# Altium PCB PCB.PcbDoc (part 3 of 4)
Units mm, origin at the board's own origin, x right, y up, seen from the top; angles counter-clockwise.
Board outline 133.1 x 64.1 mm, 6 copper layers (Top Layer, L02_GND1, L03_PWR1, L04_PWR2, L05_GND2, Bottom Layer), stack 2.464 mm thick; 271 components, 175 nets, 879 pads, 570 vias.
Unrouted connection lines stored in the file: 34.
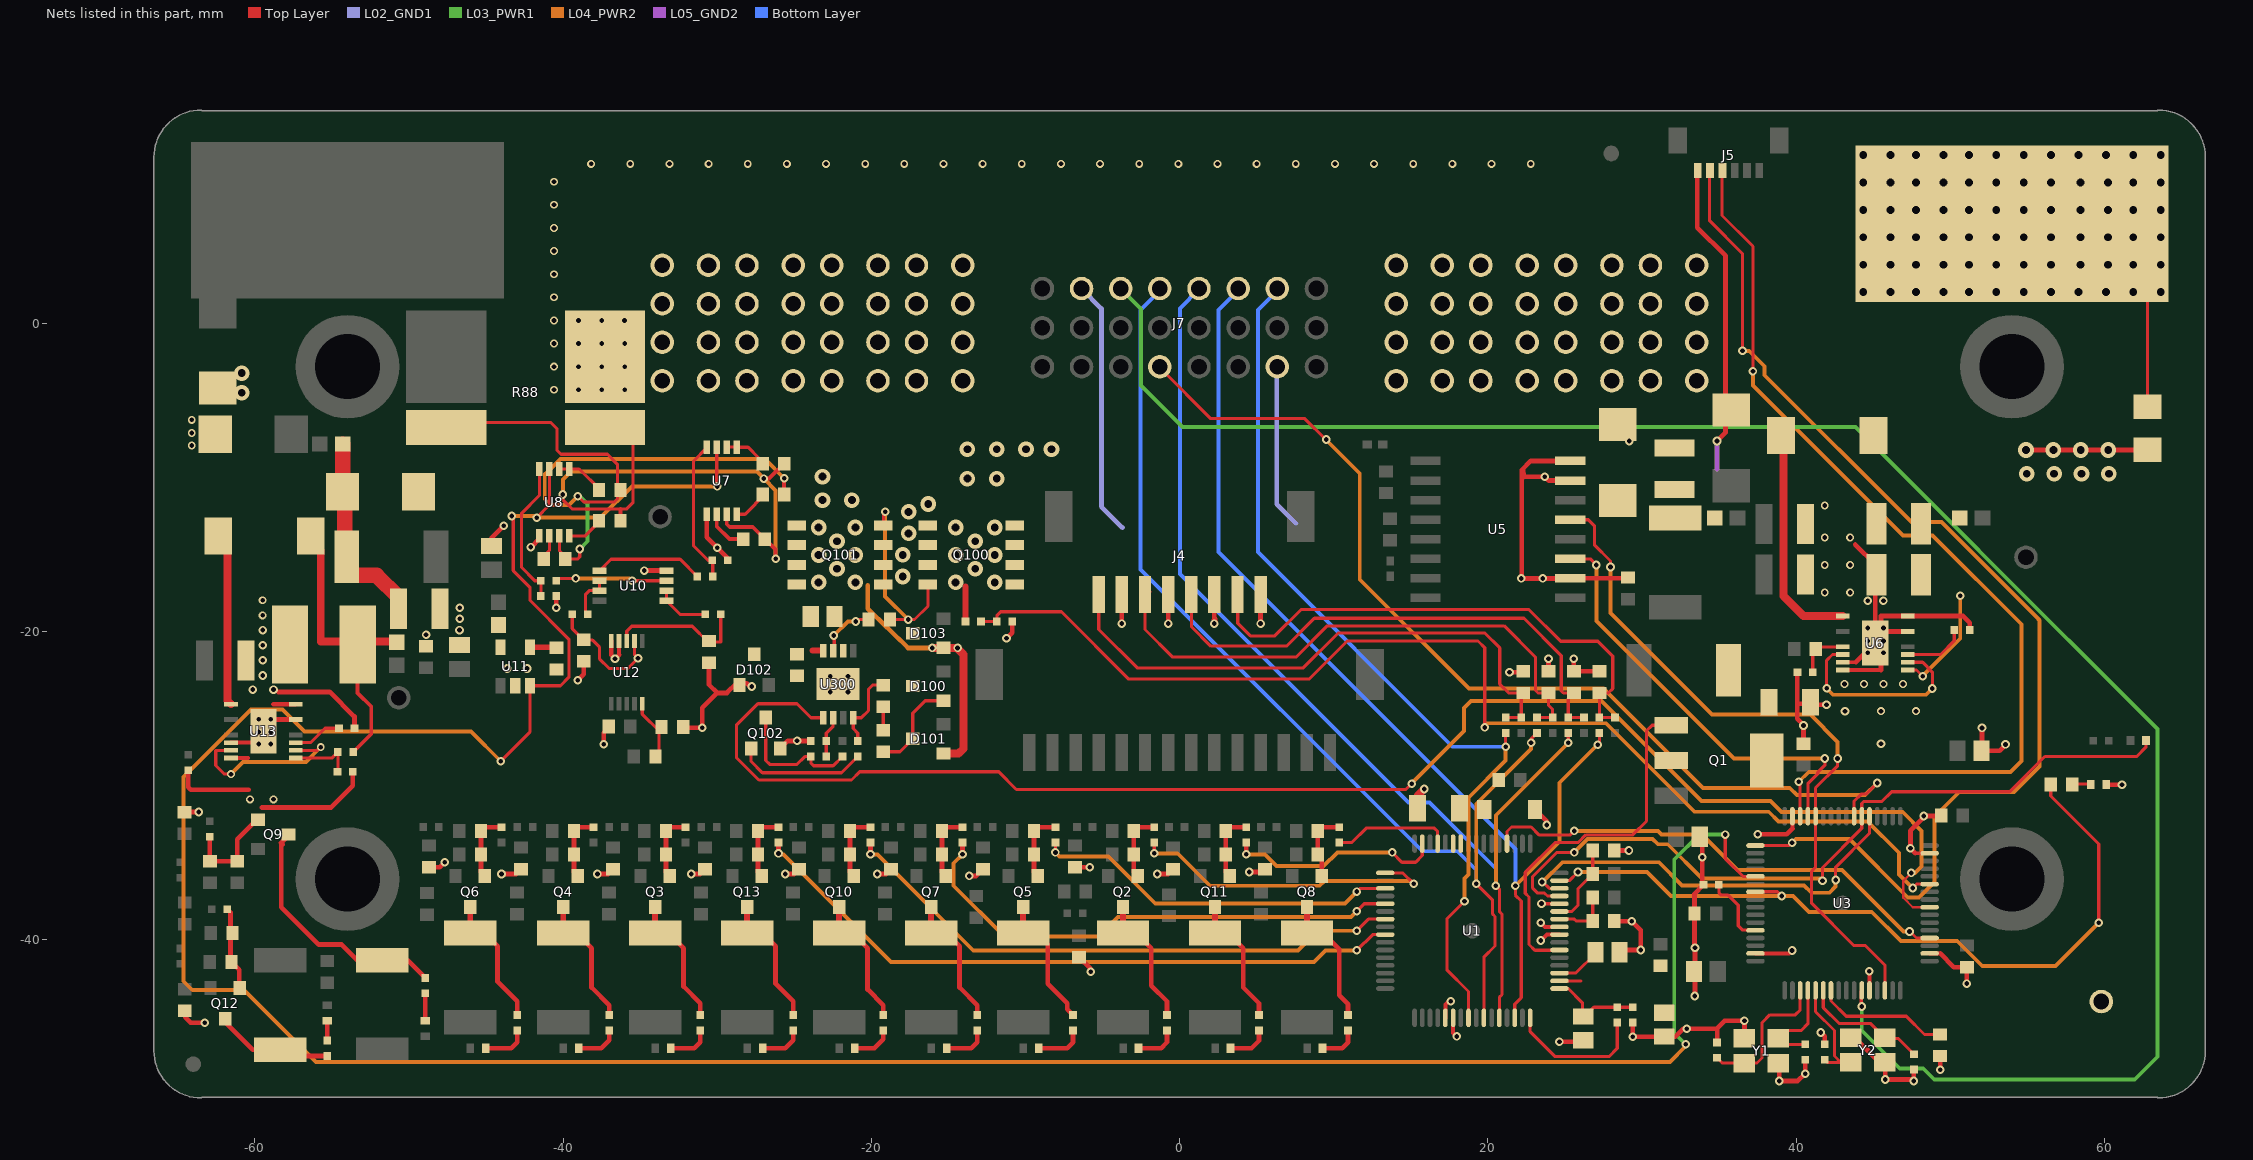
[diagram p7: the nets of this part, all layers, seen from the top]

## Via types
v1: diameter 0.559, hole 0.305, Top Layer to Bottom Layer, tented both sides, 285 vias
v2: diameter 1.016, hole 0.508, Top Layer to Bottom Layer, tented top, 144 vias
v3: diameter 0.508/0.508/0.508/0.508/0.508/0.508 (per signal layer), hole 0.305, Top Layer to Bottom Layer, tented both sides, 51 vias
v4: diameter 0.508/0.508/0.508/0.508/0.508/0.508 (per signal layer), hole 0.305, Top Layer to Bottom Layer, 30 vias
v5: diameter 1.016, hole 0.508, Top Layer to Bottom Layer, tented both sides, 28 vias
v6: diameter 1.016, hole 0.508, Top Layer to Bottom Layer, 16 vias
v7: diameter 0.508, hole 0.305, Top Layer to Bottom Layer, tented both sides, 10 vias
v8: diameter 0.559, hole 0.305, Top Layer to Bottom Layer, 6 vias

## Nets (pads, with @x,y where several pads share a name; then routed paths per layer and width w, separated by ;. In a path a pad name is that pad's centre, name@x,y a point inside that pad or via, vN(x,y) a via of type N, cw(c..) or ccw(c..) an arc to the next point about the centre after c; other vN are vias at no path point) (continued)
CB6: R68.2 U1.9 | length 43.8
  Top Layer w0.203: v1(11.497,-40.7) 12.517,-39.68 U1.9@13.34,-39.68
  Top Layer w0.305: v1(-26.03,-34.415) R68.2@-26.03,-33.707
  L04_PWR2 w0.254: v1@-26.055,-34.452 v1@-26.03,-34.477 ; v1(-26.03,-34.415) v1@-26.03,-34.477 ; v1(11.497,-40.7) 9.465,-40.7 8.703,-41.462 -18.729,-41.462 -25.714,-34.477 v1@-26.03,-34.477
CB7: R56.2 U1.7 | length 37.6
  Top Layer w0.203: v1(11.497,-39.43) 12.247,-38.68 U1.7@13.34,-38.68
  Top Layer w0.305: v1(-20.061,-34.477) R56.2@-20.061,-33.707
  L04_PWR2 w0.254: v1(-20.061,-34.477) -19.618,-34.477 -13.395,-40.7 7.687,-40.7 8.957,-39.43 v1(11.497,-39.43)
CB8: R41.2 U1.5 | length 33.3
  Top Layer w0.203: v1(11.497,-38.16) 11.977,-37.68 U1.5@13.34,-37.68
  Top Layer w0.305: v1(-14.092,-34.477) R41.2@-14.092,-33.707
  L04_PWR2 w0.254: v1(-14.092,-34.477) -14.665,-35.05 -14.665,-36.509 -11.363,-39.811 -5.267,-39.811 -3.997,-38.541 11.116,-38.541 v1(11.497,-38.16)
CB9: R28.2 U1.3 | length 23.8
  Top Layer w0.203: v1(-8.061,-34.35) R28.2@-8.061,-33.707 ; v1(11.497,-36.89) 11.707,-36.68 U1.3@13.34,-36.68
  L04_PWR2 w0.254: v1(-8.061,-34.35) -7.791,-34.62 -4.616,-34.62 -1.584,-37.652 10.735,-37.652 v1(11.497,-36.89)
CB10: R14.2 U1.1 | length 20.7
  Top Layer w0.203: v1(-1.646,-34.412) R14.2@-1.646,-33.707 ; U1.1@13.34,-35.68 14.478,-35.68 v1(15.18,-36.382)
  L04_PWR2 w0.254: v1(-1.646,-34.412) -0.125,-34.412 1.972,-36.509 9.084,-36.509 9.392,-36.201 14.999,-36.201 v1(15.18,-36.382)
CB11: R54.2 U1.63 | length 14.1
  Top Layer w0.203: v1(13.783,-34.35) 14.418,-34.985 15.307,-34.985 15.74,-34.552 U1.63@15.74,-33.78
  Top Layer w0.305: v1(4.323,-34.477) R54.2@4.323,-33.707
  L04_PWR2 w0.254: v1(4.323,-34.477) 5.528,-34.477 6.29,-35.239 9.338,-35.239 10.227,-34.35 v1(13.783,-34.35)
CB12: R39.2 U1.61 | length 7.7
  Top Layer w0.203: R39.2@10.354,-33.707 11.167,-33.707 12.1,-32.774 16.526,-32.774 16.74,-32.989 U1.61@16.74,-33.78
CHECK_INSERT_A: J7.4 U3.39 | length 65.2
  Top Layer w0.203: J7.4@-1.169,-3.019 2.012,-6.2 8.112,-6.2 9.473,-7.56 v1(9.518,-7.56) ; U3.39@43.759,-32.002 43.746,-31.989 43.746,-31.048 44.224,-30.57 44.533,-30.57 v1(45.259,-29.843)
  L04_PWR2 w0.254: v1(9.518,-7.56) 9.518,-7.606 11.686,-9.773 11.686,-16.631 18.765,-23.711 27.503,-23.711 33.951,-30.159 39.585,-30.159 40.055,-30.629 44.474,-30.629 v1(45.259,-29.843)
CHECK_INSERT_B: J7.19 U3.11 | length 126.9
  Top Layer w0.203: U3.11@44.224,-43.337 44.224,-44.314 v1(44.258,-44.348)
  L03_PWR1 w0.254: J7.19@-3.81,2.21 -2.52,0.92 -2.52,-4.045 0.176,-6.74 43.846,-6.74 51.833,-14.726 51.833,-14.741 63.44,-26.349 63.44,-47.609 61.967,-49.082 48.962,-49.082 48.246,-48.366 46.722,-48.366 44.258,-45.901 v1(44.258,-44.348)
CHG_EN: U3.24 U300.1 | length 100.5
  Top Layer w0.152: v1(47.469,-35.68) 46.959,-36.19 46.959,-37.291 47.57,-37.902 U3.24@48.659,-37.902
  Top Layer w0.203: U300.1@-23.133,-25.608 -23.918,-25.608 -24.825,-24.702 -27.365,-24.702 -28.762,-26.099 -28.762,-28.192 -27.303,-29.651 -21.294,-29.651 -20.761,-29.118 -11.74,-29.118 -10.595,-30.263 14.677,-30.263 v1(15.053,-29.888)
  L04_PWR2 w0.254: v1(15.053,-29.888) 15.053,-29.87 18.445,-26.478 18.445,-24.985 18.904,-24.526 27.373,-24.526 33.854,-31.007 38.332,-31.007 39.059,-31.734 46.915,-31.734 48.127,-32.946 48.127,-35.258 47.705,-35.68 v1(47.469,-35.68)
CHG_IN: J7.P2 Q100.5 Q100.6 Q100.7 Q100.8 R306.2 | length 2.3
  Top Layer w0.381: R306.2@-13.895,-19.364 -13.895,-17.09
  other v5: -13.776,-10.093 -11.871,-10.093 -13.776,-8.188 -11.871,-8.188 -9.966,-8.188 -8.315,-8.188
  other v6: -14.538,-16.828 -11.998,-16.828 -13.268,-15.939 -14.538,-15.05 -11.998,-15.05 -13.268,-14.161 -14.538,-13.272 -11.998,-13.272
CHG_INSERT: R305.2 R306.1 U3.27 | length 75.8
  Top Layer w0.203: R306.1@-12.895,-19.364 R305.2@-11.863,-19.364 -11.863,-18.983 -11.617,-18.737 -7.672,-18.737 -3.301,-23.108 8.395,-23.108 10.87,-20.633 19.358,-20.633 19.796,-21.071 v1(19.796,-26.238) ; v1(47.558,-36.661) 47.817,-36.402 U3.27@48.659,-36.402
  L04_PWR2 w0.254: v1(19.796,-26.238) 19.796,-26.095 19.923,-25.968 27.671,-25.968 33.413,-31.71 38.223,-31.71 38.843,-32.33 44.636,-32.33 46.679,-34.372 46.679,-35.781 v1(47.558,-36.661)
COMMSRATE0: R6.2 R8.1 U1.43 | length 5.3
  Top Layer w0.203: U1.43@24.64,-38.18 25.447,-38.18 25.848,-37.779 25.848,-36.698 R6.2@26.799,-35.747 R8.1@26.799,-34.223
COMMSRATE1: R5.2 R7.1 U1.42 | length 3.7
  Top Layer w0.203: U1.42@24.64,-38.68 25.606,-38.68 25.721,-38.795 R7.1@26.799,-38.795 R5.2@26.799,-37.271
CURR+: R110.1 U10.5 | length 7.1
  Top Layer w0.203: U10.5@-37.638,-16.063 -36.9,-15.325 -32.411,-15.325 R110.1@-31.294,-16.443
CURR-: R111.2 U10.3 | length 7.3
  Top Layer w0.203: R111.2@-40.45,-16.718 -40.302,-16.57 v1(-39.176,-16.57) ; v1(-35.531,-16.722) -33.306,-16.722 U10.3@-33.297,-16.713
  L04_PWR2 w0.254: v1(-39.176,-16.57) -35.683,-16.57 v1(-35.531,-16.722)
DREADY: U1.46 U3.37 | length 27.3
  Top Layer w0.203: v1(23.513,-36.271) 23.578,-36.271 23.987,-36.68 U1.46@24.64,-36.68 ; v1(42.561,-36.137) 42.561,-35.306 44.759,-33.108 U3.37@44.759,-32.002
  L04_PWR2 w0.254: v1(23.513,-36.271) 23.546,-36.271 24.832,-34.985 31.088,-34.985 32.605,-36.502 40.52,-36.502 40.985,-36.966 42.167,-36.966 42.561,-36.573 v1(42.561,-36.137)
EXT1_M: J7.23 R76.2 U1.24 | length 59.5
  Top Layer w0.203: v1(18.482,-37.525) 17.339,-38.668 17.339,-41.97 18.74,-43.371 U1.24@18.74,-45.08 ; v1(21.149,-27.492) R76.2@21.149,-26.595
  L04_PWR2 w0.254: v1(18.482,-37.525) 18.482,-36.033 18.74,-35.775 18.74,-30.801 21.149,-28.392 v1(21.149,-27.492)
  Bottom Layer w0.254: J7.23@6.35,2.21 6.35,2.115 5.079,0.845 5.079,-14.856 17.715,-27.492 v1(21.149,-27.492)
EXT2_M: J7.20 R77.2 U1.26 | length 70.4
  Top Layer w0.203: v1(19.244,-36.382) 20.305,-37.443 20.305,-38.352 20.462,-38.509 20.462,-40.425 19.74,-41.146 19.74,-43.99 ; U1.26@19.74,-45.08 19.74,-44.014 ; v1(22.8,-27.238) 22.8,-26.976 R77.2@23.181,-26.595
  L04_PWR2 w0.254: v1(19.244,-36.382) 19.244,-31.199 22.8,-27.643 v1(22.8,-27.238)
  Bottom Layer w0.254: J7.20@-1.27,2.21 -1.27,2.107 -2.532,0.845 -2.532,-15.988 15.75,-34.271 18.038,-34.271 19.244,-35.477 v1(19.244,-36.382)
EXT3_M: J7.21 R75.2 U1.28 | length 69.2
  Top Layer w0.203: v1(20.514,-36.509) 20.74,-36.735 20.74,-38.176 20.916,-38.352 20.916,-43.576 20.74,-43.752 U1.28@20.74,-45.08 ; v1(25.213,-27.238) R75.2@25.213,-26.595
  L04_PWR2 w0.254: v1(20.514,-36.509) 20.514,-31.937 v1(25.213,-27.238)
  Bottom Layer w0.254: J7.21@1.266,2.21 0.01,0.954 0.01,-16.283 14.843,-31.116 16.223,-31.116 20.514,-35.407 v1(20.514,-36.509)
EXT4_M: J7.22 R201.2 U1.30 | length 68.3
  Top Layer w0.203: U1.30@21.74,-45.08 21.74,-44.197 22.165,-43.772 22.165,-37.5 21.784,-37.119 v1(21.784,-36.509) ; v1(27.118,-27.365) 27.229,-27.254 R201.2@27.229,-26.595
  L04_PWR2 w0.254: v1(21.784,-36.509) 24.655,-33.639 24.655,-29.829 v1(27.118,-27.365)
  Bottom Layer w0.254: J7.22@3.81,2.21 3.81,2.139 2.517,0.846 2.517,-14.867 21.784,-34.135 v1(21.784,-36.509)
FAULT: D15.2 U1.45 U3.38 | length 50.1
  Top Layer w0.203: U1.45@24.64,-37.18 23.865,-37.18 23.672,-36.987 23.222,-36.987 22.898,-36.663 22.898,-35.913 24.461,-34.35 v1(25.594,-34.35) ; v1(41.708,-36.18) 41.708,-35.341 44.259,-32.789 44.259,-31.175 44.386,-31.048 45.56,-31.048 46.195,-30.413 53.852,-30.413 56.138,-28.127 62.118,-28.127 ; 62.118,-28.107 62.693,-27.532 D15.2@62.693,-27.091
  L04_PWR2 w0.254: v1(25.594,-34.35) 26.471,-33.473 30.687,-33.473 31.032,-33.818 31.667,-33.818 33.881,-36.033 41.56,-36.033 v1(41.708,-36.18)
GND: C1.2 C2.1 C3.2 C4.2 C5.1 C6.2 C8.2 C10.2 C11.2 C14.2 C17.2 C18.2 C23.2 C24.2 C25.2 C32.2 C34.2 C35.2 C41.2 C42.2 C47.2 C48.2 C49.2 C50.2 C52.2 C53.2 C54.2 C55.2 C56.2 C57.2 C58.2 C59.2 C60.2 C61.1 C64.2 C65.2 C66.2 C68.2 C69.2 C73.1 C74.1 C75.1 C76.1 C77.1 C78.1 C200.2 C301.2 C303.2 C304.2 C309.2 C500.2 C501.2 C999.2 D1.A D2.C D16.1 D17.1 D21.1 D22.1 D102.A J4.2 J4.4 J4.6 J4.8 J5.6 J7.7 J7.18 Q102.2 R7.2 R8.2 R10.1 R80.2 R81.2 R83.1 R84.2 R86.2 R93.2 R94.2 R115.2 R305.1 R309.2 TP1.1 U1.21 U1.22 U1.40 U1.41 U1.44 U3.12 U3.18 U3.31 U3.47 U3.63 U5.2 U5.7 U5.8 U6.7 U6.8 U6.14 U6.16 U6.17 U7.5 U8.5 U10.4 U11.2 U12.4 U12.5 U13.6 U13.8 U13.14 U13.16 U13.17 U300.9 Y1.2 Y1.4 Y2.2 Y2.4 | length 256.6
  Top Layer w0.254: U13.8@-61.553,-28.228 -60.461,-28.228 ; U13.6@-61.553,-27.228 U13.17@-60.198,-27.228 ; -36.374,-21.515 U12.4@-36.374,-20.634 ; U1.21@17.24,-45.08 17.24,-44.228 v1@17.466,-44.002 ; U1.22@17.74,-45.08 17.74,-46.054 v1(17.974,-46.288) ; v1(23.435,-40.065) 23.82,-39.68 U1.40@24.64,-39.68 ; v1(23.435,-38.922) 23.693,-39.18 U1.41@24.64,-39.18 ; v1@23.491,-37.68 U1.44@24.64,-37.68 ; U3.63@37.359,-40.902 39.549,-40.902 v1(39.735,-40.716) ; 39.759,-32.808 U3.47@39.759,-32.106 ; U6.8@43.022,-22.511 45.502,-22.511 ; U6.7@43.022,-22.011 43.877,-22.011 ; U3.12@44.749,-43.292 v1(44.749,-42.056) ; 47.734,-34.402 U3.31@48.636,-34.402 ; U3.18@48.659,-40.902 49.351,-40.902
  Top Layer w0.305: C41.2@-64.576,-31.745 -64.558,-31.727 v1(-63.639,-31.727) ; C47.2@-64.53,-44.546 -64.53,-45.05 -64.175,-45.404 v1(-63.264,-45.404) ; R84.2@-64.322,-29.008 -64.322,-30.111 -64.151,-30.282 -60.408,-30.282 ; U13.17@-60.198,-27.228 U13.17@-59.448,-26.478 -58.698,-25.728 U13.14@-57.343,-25.728 ; -59.536,-31.433 -55.051,-31.433 -53.648,-30.03 R309.2@-53.648,-29.118 ; -58.794,-24.728 U13.16@-57.343,-24.728 ; -58.49,-23.936 -55.142,-23.936 -53.543,-25.535 R115.2@-53.543,-26.29 ; C34.2@-48.701,-35.304 -48.004,-35.304 v1(-47.685,-34.985) ; C77.1@-44.67,-14.439 -44.67,-13.966 v1(-43.858,-13.154) ; v1(-44.002,-35.747) -43.048,-35.747 C24.2@-42.732,-35.431 ; v1(-42.097,-14.538) -42.072,-14.538 -41.544,-14.01 U8.5@-41.544,-13.809 ; v1(-40.454,-18.467) R94.2@-40.454,-17.713 ; v1(-39.049,-23.178) -38.668,-22.797 C501.2@-38.668,-21.947 ; v1(-37.779,-35.747) -37.079,-35.747 C18.2@-36.763,-35.431 ; v1(-37.373,-27.338) -37.373,-26.595 C78.1@-37.038,-26.26 ; U12.5@-36.874,-20.634 -36.874,-21.539 v1(-36.636,-21.777) -36.374,-21.515 ; v1(-34.731,-16.062) -33.298,-16.062 U10.4@-33.297,-16.063 ; C75.1@-32.168,-26.26 v1(-30.97,-26.26) -30.97,-24.972 -29.997,-24 ; v1(-31.683,-35.747) -31.11,-35.747 C14.2@-30.794,-35.431 ; U7.5@-30.686,-12.405 -30.686,-13.892 R93.2@-29.311,-15.267 ; C500.2@-30.54,-22.033 -30.54,-23.457 -29.997,-24 ; v1(-27.76,-23.587) -27.864,-23.587 -28.086,-23.365 -28.737,-23.365 -29.372,-24 -29.997,-24 ; Q102.2@-25.907,-27.607 -25.415,-27.115 C301.2@-23.928,-27.115 ; v1(-25.587,-35.747) -25.014,-35.747 C42.2@-24.698,-35.431 ; v1(-19.618,-35.747) -19.045,-35.747 C35.2@-18.729,-35.431 ; v1(-13.649,-35.874) -13.203,-35.874 C25.2@-12.76,-35.431 ; v1(-11.236,-20.459) -10.863,-20.086 R305.1@-10.863,-19.364 ; C11.2@-6.791,-35.304 v1(-5.84,-35.304) ; C17.2@-6.537,-41.146 -5.775,-41.908 v1(-5.775,-42.097) ; v1(-3.75,-19.5) J4.2@-3.746,-17.411 ; v1(-1.457,-35.747) -0.757,-35.747 C32.2@-0.441,-35.431 ; v1(-0.75,-19.5) J4.4@-0.75,-18.25 ; v1@2.233,-19.261 2.299,-19.195 v1@2.299,-19.534 ; J4.6@2.233,-17.56 J4.6@2.268,-17.526 ; v1(2.25,-19.5) J4.6@2.25,-17.56 ; v1(4.512,-35.62) 5.339,-35.62 C23.2@5.528,-35.431 ; v1(5.25,-19.5) J4.8@5.25,-17.441 ; v1@17.466,-44.002 v1(17.593,-44.002) ; v1(21.403,-22.666) 22.227,-22.666 C49.2@22.292,-22.601 ; v1(22.165,-16.57) v1@22.19,-16.57 ; 22.19,-10.094 22.318,-9.966 ; 22.292,-9.433 22.318,-9.966 ; D1.A@23.042,-31.556 23.816,-32.331 v1(23.816,-32.572) ; v1(23.479,-37.668) v1@23.491,-37.68 ; C50.2@23.927,-22.601 v1(23.927,-21.777) ; v1(24.64,-46.63) C2.1@26.478,-46.63 ; U5.7@25.341,-10.22 23.943,-10.22 v1(23.689,-9.966) 22.318,-9.966 ; U5.8@25.341,-8.95 22.775,-8.95 22.19,-9.535 v1@22.19,-16.57 ; v1(25.578,-21.777) C48.2@25.578,-22.601 C200.2@27.229,-22.601 ; R7.2@28.199,-38.795 28.216,-38.812 v1(29.339,-38.812) 29.912,-39.385 v1(29.912,-40.68) 28.672,-40.68 C10.2@28.48,-40.871 ; R8.2@28.199,-34.223 v1(29.15,-34.223) ; R7.2@28.507,-38.803 R7.2@28.515,-38.795 ; C66.2@28.841,-16.552 25.36,-16.552 U5.2@25.341,-16.57 v1(23.562,-16.57) v1@22.19,-16.57 ; R10.1@29.404,-45.391 29.396,-45.399 v1(29.396,-46.313) 29.408,-46.301 C6.2@31.205,-46.301 ; C6.2@31.173,-46.313 32.157,-46.313 32.671,-45.798 v1(32.908,-45.798) 34.83,-45.798 ; v1(33.421,-43.662) 33.434,-43.649 v1(33.434,-40.538) 33.408,-40.512 C54.2@33.408,-38.304 33.408,-37.024 33.976,-36.455 33.976,-36.439 33.914,-36.377 v1(33.914,-34.671) 33.914,-33.5 C8.2@33.748,-33.334 ; J5.6@33.587,9.917 33.587,6.191 35.42,4.358 35.42,-7.099 v1(34.865,-7.653) ; C57.2@34.875,-46.667 34.875,-45.753 35.356,-45.272 v1(36.643,-45.272) Y1.2@36.643,-46.415 ; v1(37.515,-33.178) 39.389,-33.178 39.759,-32.808 ; Y1.4@38.843,-48.015 38.909,-48.081 v1(38.909,-49.178) 40.103,-49.178 v1(40.58,-48.701) 40.58,-47.862 40.61,-47.833 C58.2@40.58,-47.804 ; R86.2@40.08,-22.662 40.08,-24.701 ; C52.2@40.477,-27.474 40.477,-26.075 40.08,-25.679 40.08,-24.701 ; v1(41.596,-46.034) 41.85,-46.288 C59.2@41.85,-46.804 ; v1(41.971,-24.764) 41.095,-24.764 C1.2@40.942,-24.611 40.853,-24.701 40.08,-24.701 ; Y2.2@43.544,-46.377 43.802,-46.377 44.749,-47.324 ; 43.841,-14.371 45.127,-15.657 U6.17@45.127,-20.761 ; 43.877,-22.011 U6.17@45.127,-20.761 ; 44.646,-47.156 44.646,-47.179 44.841,-47.374 ; 44.841,-47.416 45.402,-47.977 Y2.4@45.744,-47.977 45.787,-48.02 v1(45.787,-49.082) 47.536,-49.082 v1(47.632,-49.178) 47.632,-48.45 C60.2@47.643,-48.439 ; 45.502,-22.511 U6.17@45.502,-20.386 ; U6.14@47.232,-20.011 45.877,-20.011 U6.17@45.502,-20.386 ; 47.734,-34.402 v1(47.413,-34.081) 47.413,-32.941 48.272,-32.082 v1(48.272,-31.989) C55.2@49.197,-31.989 ; v1(49.343,-48.447) C61.1@49.343,-47.561 ; 49.351,-40.902 50.24,-41.79 C53.2@51.078,-41.79 51.067,-41.801 v1(51.067,-42.859) ; R81.2@51.258,-19.917 51.258,-19.443 50.826,-19.011 U6.16@47.232,-19.011 45.502,-19.011 U6.17@45.502,-20.386 ; v1@52.059,-26.302 52.059,-27.744 53.196,-27.744 53.584,-27.356 v1(53.584,-27.343) ; v5(54.911,-8.239) R83.1@62.788,-8.239 ; D2.C@60.122,-29.949 v1(61.138,-29.949) ; U6.17@45.127,-20.761 U6.17@45.502,-20.386
  Top Layer w0.508: C5.1@15.442,-31.477 15.442,-30.655 v1(15.862,-30.235)
  L05_GND2 w0.305: 34.865,-9.468 v1(34.865,-7.653)
  L02_GND1 w0.305: J7.18@-6.35,2.21 -5.078,0.938 -5.078,-11.908 -3.714,-13.272 ; J7.7@6.302,-2.87 6.302,-11.744 7.547,-12.989
  other v1: 45.508,-27.306 -24.825,-27.111 52.059,-26.27 40.473,-26.116 43.171,-25.181 -22.666,-23.936 -21.523,-23.936 -60.134,-23.784 -58.794,-23.784 -22.666,-22.92 -21.523,-22.92 -59.5,-22.868 -43.621,-22.412 -42.351,-22.412 -59.5,-21.886 -59.5,-20.904 -48.895,-20.223 -59.5,-19.923 -46.725,-19.923 -46.718,-19.183 -46.718,-18.473 44.646,-18.029 45.661,-18.029 -29.997,-14.58 29.163,-7.653
  other v3: -60.324,-30.906 -58.796,-30.906 45.508,-25.181 47.772,-25.181 43.142,-23.425 44.407,-23.425 45.673,-23.425 46.938,-23.425 -59.5,-18.967 -59.5,-17.985 41.85,-17.48 43.5,-17.48 41.85,-15.7 43.5,-15.7 41.85,-13.92 43.5,-13.92 41.85,-11.84 -64.1,-7.945 -64.1,-7.135 -64.1,-6.285
  other v4: 44.65,-21.396 45.67,-21.396 44.65,-20.634 45.67,-20.634 44.65,-19.785 45.67,-19.785
  other v5: 54.957,-9.784 56.735,-9.784 58.513,-9.784 60.291,-9.784 56.689,-8.239 58.467,-8.239 60.245,-8.239
  other v8: -59.748,-27.318 -58.97,-27.318 -59.75,-26.542 -58.97,-26.542 -59.748,-25.706 -58.97,-25.706
GPO_CHARGEREN: R4.2 U1.47 U3.55 | length 51
  Top Layer w0.203: U1.47@24.64,-36.18 25.288,-36.18 v1(25.848,-35.62) ; U3.55@37.359,-36.902 38.778,-36.902 v1(39.056,-37.18) ; R4.2@56.517,-29.949 56.517,-30.689 59.63,-33.802 v1(59.63,-38.922)
  L04_PWR2 w0.254: v1(25.848,-35.62) 30.318,-35.62 31.878,-37.18 v1(39.056,-37.18) 39.806,-37.18 40.834,-38.208 44.905,-38.208 46.797,-40.1 50.452,-40.1 52.077,-41.724 56.828,-41.724 v1(59.63,-38.922)
ISENSEEN: U3.53 U7.3 U8.3 U11.3 | length 198.2
  Top Layer w0.203: v1(-44.052,-28.432) -42.163,-26.542 U11.3@-42.163,-23.535 -40.172,-23.535 -39.63,-22.993 -39.63,-20.507 -42.163,-17.974 -42.163,-17.145 -43.24,-16.068 -43.24,-12.616 v1(-43.334,-12.522) ; v1(-41.716,-12.633) -40.894,-11.811 U8.3@-40.894,-9.468 ; v1(35.403,-33.192) 35.403,-34.752 36.553,-35.902 U3.53@37.359,-35.902
  Top Layer w0.254: U7.3@-30.036,-8.064 -30.036,-10.562 v1(-29.997,-10.601)
  L03_PWR1 w0.254: v1(32.833,-46.796) 32.091,-46.054 32.091,-34.819 33.718,-33.192 v1(35.403,-33.192)
  L04_PWR2 w0.254: v1(-44.052,-28.432) -45.99,-26.494 -56.782,-26.494 -58.204,-25.072 -60.247,-25.072 -64.626,-29.451 -64.626,-42.707 -64.067,-43.267 -60.714,-43.267 -56.041,-47.939 31.817,-47.939 32.833,-46.923 v1(32.833,-46.796) ; v1(-43.334,-12.522) -41.827,-12.522 v1(-41.716,-12.633) -41.713,-12.631 -37.577,-12.631 -35.547,-10.601 v1(-29.997,-10.601)
ISOLATED_CHG: C500.1 R500.2 U12.3 | length 9.1
  Top Layer w0.203: U12.3@-35.874,-20.634 -35.874,-20.003 -35.548,-19.677 -31.621,-19.677 -30.605,-20.693 -29.778,-20.693 R500.2@-29.778,-18.895
ISOLATED_DCHG: C501.1 R101.2 U12.2 | length 8.2
  Top Layer w0.203: R101.2@-39.416,-18.895 -39.416,-19.829 -38.668,-20.577 -38.09,-20.577 -37.652,-21.015 -37.652,-21.777 -37.017,-22.412 -35.802,-22.412 v1(-35.145,-21.755) -35.374,-21.527 U12.2@-35.374,-20.634
JTCK-SWCLK: J5.5 U3.49 | length 75.2
  Top Layer w0.203: J5.5@34.387,9.995 34.387,6.635 36.516,4.506 v1(36.516,-1.808) ; U3.49@37.359,-33.902 39.564,-33.902 v1(39.735,-33.731)
  L04_PWR2 w0.254: v1(36.516,-1.808) 36.959,-1.808 37.956,-2.805 37.956,-3.386 47.493,-12.922 49.429,-12.922 55.743,-19.237 55.726,-19.254 55.779,-19.306 55.779,-28.769 54.124,-30.424 50.581,-30.424 48.971,-32.034 48.971,-36.281 47.981,-37.271 47.238,-37.271 43.457,-33.49 39.977,-33.49 v1(39.735,-33.731)
JTMS-SWDIO: J5.4 U3.46 | length 64.8
  Top Layer w0.203: J5.4@35.187,9.917 35.187,6.981 37.195,4.973 v1(37.195,-3.124) ; v1(40.171,-29.765) 40.259,-29.853 U3.46@40.259,-32.002
  L04_PWR2 w0.254: v1(37.195,-3.124) 37.195,-4.041 46.93,-13.776 48.853,-13.776 54.621,-19.545 54.621,-28.412 53.915,-29.119 40.817,-29.119 v1(40.171,-29.765)
MCU_RX1: U3.14 U3.44 U5.5 | length 45.1
  Top Layer w0.203: U5.5@25.341,-12.76 26.511,-12.76 26.908,-13.157 26.908,-14.395 27.957,-15.443 v1(27.957,-15.833) ; v1(42.689,-28.255) 42.689,-28.729 41.259,-30.159 41.259,-35.322 41.005,-35.576 41.005,-37.646 43.754,-40.395 44.502,-40.395 45.759,-41.652 U3.14@45.759,-43.18
  L04_PWR2 w0.254: v1(27.957,-15.833) 27.957,-18.816 34.545,-25.405 40.922,-25.405 42.689,-27.171 v1(42.689,-28.255)
MCU_TX1: U3.45 U5.3 | length 28.2
  Top Layer w0.203: U5.3@25.341,-15.3 26.638,-15.3 v1(27.035,-15.697) ; U3.45@40.759,-32.002 40.759,-29.89 41.405,-29.245 41.405,-29.157 41.863,-28.699 v1(41.863,-28.255)
  L04_PWR2 w0.254: v1(27.035,-15.697) 27.035,-19.326 35.964,-28.255 v1(41.863,-28.255)
NEG: D18.1 J7.P1 J7.P5 J7.P6 J9.1 R83.2 | length 8.2
  Top Layer w0.203: R83.2@62.803,-5.424 J9.1@62.803,2.812
  other v2: 44.348,2.005 46.126,2.005 47.777,2.005 49.555,2.005 51.206,2.005 52.984,2.005 54.762,2.005 56.54,2.005 58.318,2.005 60.096,2.005 61.874,2.005 63.652,2.005 44.348,3.783 46.126,3.783 47.777,3.783 49.555,3.783 51.206,3.783 52.984,3.783 54.762,3.783 56.54,3.783 58.445,3.783 60.223,3.783 61.874,3.783 63.652,3.783 44.348,5.561 46.126,5.561 47.777,5.561 49.555,5.561 51.206,5.561 52.984,5.561 54.762,5.561 56.54,5.561 58.445,5.561 60.223,5.561 61.874,5.561 63.652,5.561 44.348,7.339 46.126,7.339 47.777,7.339 49.555,7.339 51.206,7.339 52.984,7.339 54.762,7.339 56.54,7.339 58.445,7.339 60.223,7.339 61.874,7.339 63.652,7.339 44.348,9.117 46.126,9.117 47.777,9.117 49.555,9.117 51.206,9.117 52.984,9.117 54.762,9.117 56.54,9.117 58.445,9.117 60.223,9.117 61.874,9.117 63.652,9.117 44.348,10.895 46.126,10.895 47.777,10.895 49.555,10.895 51.206,10.895 52.984,10.895 54.762,10.895 56.54,10.895 58.318,10.895 60.096,10.895 61.874,10.895 63.652,10.895
  other v3: -38.185,10.325 -33.105,10.325 -28.025,10.325 -22.945,10.325 -17.865,10.325 -12.785,10.325 -7.705,10.325 -2.625,10.325 2.455,10.325 7.535,10.325 12.615,10.325 17.695,10.325 22.775,10.325
  other v5: -60.855,-4.522 -60.855,-3.252
  other v7: -40.6,3.17 -40.6,6.17 -40.6,9.17
NetC1_1: C1.1 Q1.2 Q1.4 R1.1
NetC3_1: C3.1 D21.2 L131.1 R78.1
NetC4_1: C4.1 D22.2 L133.1 R87.1 | length 13.2
  Top Layer w1: D22.2@-54.312,-10.95 -54.181,-11.081 -54.181,-15.042 R87.1@-54.05,-15.173 -54.05,-16.073 -53.75,-16.373 -52.105,-16.373 -50.689,-17.789 C4.1@-50.689,-18.539 ; D22.2@-54.312,-10.95 L133.1@-54.311,-7.851
NetC5_2: C5.2 D1.C R2.2 U1.58 U1.59
NetC6_1: C6.1 R3.1 U1.34 | length 1.4
  Top Layer w0.203: U1.34@24.64,-42.68 26.027,-42.68
NetC10_1: C10.1 U1.35 | length 3
  Top Layer w0.203: U1.35@24.64,-42.18 25.684,-42.18 26.275,-41.589 26.296,-41.589 27.05,-40.835 C10.1@27.118,-40.835
NetC12_2: C12.2 Q2.G R12.2 R14.1 | length 4.5
  Top Layer w0.305: Q2.G@-2.728,-35.89 -2.978,-35.64 C12.2@-2.978,-34.477 R12.2@-2.978,-32.953 -2.732,-32.707 R14.1@-1.646,-32.707
NetC16_1: C16.1 Q3.G R18.1 R19.1 | length 4.4
  Top Layer w0.305: Q3.G@-33.081,-35.89 -33.331,-35.64 R19.1@-33.331,-34.477 C16.1@-33.331,-32.953 -33.085,-32.707 R18.1@-32.064,-32.707
NetC21_1: C21.1 Q4.G R27.1 R29.1 | length 4.4
  Top Layer w0.305: Q4.G@-39.05,-35.89 -39.3,-35.64 C21.1@-39.3,-34.477 R29.1@-39.3,-32.953 -39.054,-32.707 R27.1@-38.033,-32.707
NetC22_1: C22.1 Q5.G R28.1 R30.1 | length 4.5
  Top Layer w0.305: Q5.G@-9.205,-35.89 -9.455,-35.64 C22.1@-9.455,-34.477 R30.1@-9.455,-32.953 -9.209,-32.707 R28.1@-8.061,-32.707
NetC26_2: C26.2 Q8.G R38.2 R39.1 | length 4.5
  Top Layer w0.305: Q8.G@9.21,-35.89 9.21,-34.727 R38.2@8.96,-34.477 C26.2@8.96,-32.953 9.206,-32.707 R39.1@10.354,-32.707
NetC30_1: C30.1 Q6.G R40.1 R43.1 | length 4.5
  Top Layer w0.305: Q6.G@-45.084,-35.89 -45.334,-35.64 C30.1@-45.334,-34.477 R43.1@-45.334,-32.953 -45.088,-32.707 R40.1@-44.002,-32.707
NetC31_1: C31.1 Q7.G R41.1 R44.1 | length 4.5
  Top Layer w0.305: Q7.G@-15.174,-35.89 -15.424,-35.64 C31.1@-15.424,-34.477 R44.1@-15.424,-32.953 -15.178,-32.707 R41.1@-14.092,-32.707
NetC33_2: C33.2 Q11.G R53.2 R54.1 | length 4.5
  Top Layer w0.305: Q11.G@3.241,-35.89 2.991,-35.64 C33.2@2.991,-34.477 R53.2@2.991,-32.953 3.237,-32.707 R54.1@4.323,-32.707
NetC39_1: C39.1 Q9.G R55.1 R58.1 | length 6.7
  Top Layer w0.305: R55.1@-62.925,-33.326 R58.1@-62.925,-34.92 C39.1@-61.147,-34.92 -61.147,-33.493 Q9.G@-59.813,-32.16
NetC40_1: C40.1 Q10.G R56.1 R59.1 | length 4.5
  Top Layer w0.305: Q10.G@-21.143,-35.89 -21.393,-35.64 C40.1@-21.393,-34.477 R59.1@-21.393,-32.953 -21.147,-32.707 R56.1@-20.061,-32.707
NetC45_1: C45.1 Q12.G R67.1 R69.1 | length 5.2
  Top Layer w0.305: R67.1@-61.59,-38.241 -61.59,-39.557 -61.59,-41.397 C45.1@-61.525,-41.462 -61.012,-41.975 -61.012,-42.928 Q12.G@-61.213,-43.129
NetC46_1: C46.1 Q13.G R68.1 R70.1 | length 4.5
  Top Layer w0.305: Q13.G@-27.112,-35.89 -27.362,-35.64 C46.1@-27.362,-34.477 R70.1@-27.362,-32.953 -27.116,-32.707 R68.1@-26.03,-32.707
NetC48_1: C48.1 J4.5 R72.1 R75.1 | length 34.5
  Top Layer w0.203: J4.5@0.617,-17.411 0.77,-17.564 0.77,-19.708 2.026,-20.964 6.931,-20.964 8.737,-19.158 22.34,-19.158 24.761,-21.578 24.761,-23.864 24.897,-24.001 C48.1@25.578,-24.001 25.213,-24.366 R75.1@25.213,-25.595 R72.1@26.229,-25.595
NetC49_1: C49.1 J4.1 R73.1 R76.1 | length 37.6
  Top Layer w0.203: J4.1@-5.25,-17.411 J4.1@-5.25,-17.611 -5.25,-19.889 -2.762,-22.376 8.02,-22.376 10.276,-20.121 19.813,-20.121 20.768,-21.076 20.768,-23.428 21.341,-24.001 C49.1@22.292,-24.001 22.165,-24.128 R73.1@22.165,-25.595 R76.1@21.149,-25.595
NetC50_1: C50.1 J4.3 R74.1 R77.1 | length 36.2
  Top Layer w0.203: J4.3@-1.917,-17.411 -2.25,-17.744 -2.25,-19.884 -0.456,-21.678 7.544,-21.678 9.574,-19.649 21.053,-19.649 23.092,-21.687 23.092,-23.846 23.246,-24.001 C50.1@23.927,-24.001 23.927,-24.809 24.197,-25.079 R74.1@24.197,-25.595 R77.1@23.181,-25.595
NetC57_1: C57.1 U3.3 Y1.3 | length 9.6
  Top Layer w0.203: C57.1@34.865,-47.677 35.203,-48.015 Y1.3@36.643,-48.015 37.456,-48.015 37.786,-47.685 37.786,-45.399 38.294,-44.891 39.938,-44.891 40.259,-44.57 U3.3@40.259,-43.302
NetC58_1: C58.1 U3.4 Y1.1 | length 6.4
  Top Layer w0.203: C58.1@40.58,-46.804 39.232,-46.804 Y1.1@38.843,-46.415 39.351,-45.907 40.326,-45.907 40.759,-45.474 U3.4@40.759,-43.302
NetC59_1: C59.1 U3.5 Y2.3 | length 7.1
  Top Layer w0.203: U3.5@41.259,-43.302 41.259,-44.681 42.485,-45.907 42.485,-47.558 Y2.3@42.904,-47.977 ; C59.1@41.85,-47.804 42.023,-47.977 Y2.3@42.904,-47.977 ; Y2.3@43.544,-47.977 Y2.3@42.904,-47.977
NetC60_1: C60.1 U3.6 Y2.1 | length 8.3
  Top Layer w0.203: U3.6@41.759,-43.302 41.759,-44.419 42.78,-45.439 44.807,-45.439 Y2.1@45.744,-46.377 45.794,-46.427 46.631,-46.427 C60.1@47.643,-47.439
NetC61_2: C61.2 U3.7 | length 8.7
  Top Layer w0.203: U3.7@42.259,-43.302 42.259,-43.992 43.245,-44.978 47.144,-44.978 48.327,-46.161 C61.2@49.343,-46.161
NetC68_1: C68.1 C69.1 L1.2 L132.1 U6.9 | length 7.4
  Top Layer w0.203: U6.9@47.232,-22.511 47.809,-22.511 v1(48.209,-22.911)
  L04_PWR2 w0.254: v1(48.209,-22.911) 50.648,-20.473 v1(50.648,-17.687)
NetC70_1: C70.1 U7.6 | length 2.9
  Top Layer w0.254: U7.6@-30.036,-12.405 -30.036,-13.192 -29.209,-14.02 -28.329,-14.02 C70.1@-28.319,-14.03
NetC70_2: C70.2 R88.4 R90.2 R92.2 U7.7 | length 38.6
  Top Layer w0.203: v1(-40.021,-11.125) -40.021,-11.463 -39.417,-12.067 -36.28,-12.067 ; R88.4@-36.385,-6.41 -35.482,-7.314 -35.482,-11.669 -35.869,-12.057 -36.28,-12.057
  Top Layer w0.254: R92.2@-36.28,-12.945 -36.28,-12.067 ; U7.7@-29.386,-12.405 -29.386,-13.057 -29.195,-13.248 -27.701,-13.248 C70.2@-26.919,-14.03 -26.891,-14.002 -26.211,-14.682 v1(-26.211,-15.3) ; v1@-26.97,-10.091 -26.969,-10.09 -26.633,-10.09 R90.2@-25.647,-9.104
  L04_PWR2 w0.254: v1(-40.021,-11.125) -40.007,-11.111 -40.007,-10.144 -39.492,-9.63 -39.127,-9.63 -39.123,-9.626 -27.432,-9.626 -26.984,-10.074 v1(-26.984,-10.093) -26.211,-10.865 v1(-26.211,-15.3)
NetC71_1: C71.1 U8.6 | length 1.7
  Top Layer w0.203: C71.1@-41.269,-15.321 -41.269,-15.132 -40.894,-14.757 U8.6@-40.894,-13.809
NetC71_2: C71.2 R88.3 R89.2 R91.2 U8.7 | length 46.2
  Top Layer w0.203: R88.3@-46.826,-6.462 -40.795,-6.462 -40.399,-6.858 -40.399,-8.257 -40.143,-8.512 -37.125,-8.512 -36.484,-9.154 -36.484,-11.416 -36.679,-11.611 -38.674,-11.611 v1(-39.049,-11.236) ; U8.7@-40.244,-13.809 -40.244,-14.757 -39.869,-15.132 C71.2@-39.869,-15.321 -39.07,-15.321 -38.922,-15.173 v1(-38.922,-14.665)
  Top Layer w0.254: v1(-25.666,-10.073) -25.666,-11.149 R89.2@-25.647,-11.167
  L03_PWR1 w0.254: v1(-39.049,-11.236) -38.795,-11.363 -38.414,-11.744 -38.414,-14.157 v1(-38.922,-14.665)
  L04_PWR2 w0.254: v1(-39.049,-11.236) -39.624,-11.811 -40.818,-11.811 -41.196,-11.433 -41.196,-9.809 -41.157,-9.809 -40.182,-8.833 -26.906,-8.833 v1(-25.666,-10.073)
NetC75_2: C75.2 R109.1 U12.10 | length 4.1
  Top Layer w0.203: U12.10@-34.874,-24.705 -34.874,-25.373 -33.773,-26.473 -33.773,-27.877 R109.1@-34.128,-28.231
NetC76_2: C76.2 U11.4 | length 1.7
  Top Layer w0.381: U11.4@-42.163,-21.035 -40.488,-21.035 C76.2@-40.446,-21.077
NetC200_1: C200.1 J4.7 R200.1 R201.1 | length 34.4
  Top Layer w0.203: J4.7@3.714,-17.411 3.765,-17.462 3.765,-19.478 4.587,-20.3 6.165,-20.3 7.871,-18.594 22.665,-18.594 24.721,-20.65 27.134,-20.65 28.098,-21.614 28.098,-23.718 27.815,-24.001 C200.1@27.229,-24.001 R201.1@27.229,-25.595 R200.1@28.245,-25.595
NetC300_1: C300.1 D100.A D101.C | length 6.3
  Top Layer w0.203: C300.1@-19.237,-27.815 -18.146,-27.815 D101.C@-17.316,-26.984 -17.316,-25.317 -16.504,-24.505 D100.A@-15.316,-24.505
NetC300_2: C300.2 R300.1 | length 1.5
  Top Layer w0.203: C300.2@-19.237,-26.415 R300.1@-19.237,-24.894
NetC301_1: C301.1 R303.2 U300.2 | length 2.7
  Top Layer w0.203: R303.2@-22.928,-28.131 C301.1@-22.928,-27.115 -22.928,-26.609 -22.485,-26.166 -22.485,-25.61 U300.2@-22.483,-25.608
NetC302_1: C302.1 D100.C D103.C U300.6
NetC309_1: C309.1 L101.2 L134.1 R308.1 | length 20
  Top Layer w0.254: R308.1@-53.622,-27.835 -52.455,-26.668 -52.455,-24.873 -53.333,-23.994 C309.1@-53.333,-20.863 C309.1@-53.333,-20.658
  Top Layer w0.508: L101.2@-56.533,-13.964 -55.731,-14.765 -55.731,-20.658 -53.333,-20.658 -50.802,-20.658 L134.1@-50.787,-20.643
NetD2_A: D2.A R4.1 | length 1.2
  Top Layer w0.203: R4.1@57.917,-29.905 D2.A@59.122,-29.905
NetD3_C: D3.C R15.1 | length 2.8
  Top Layer w0.305: D3.C@-33.023,-47.05 -31.491,-47.05 -31.11,-46.669 R15.1@-31.11,-45.899
NetD4_A: D4.A R17.1 | length 2.8
  Top Layer w0.305: D4.A@-2.67,-47.05 -1.203,-47.05 -0.822,-46.669 R17.1@-0.822,-45.899
NetD5_C: D5.C R24.1 | length 2.8
  Top Layer w0.305: D5.C@-38.992,-47.05 -37.525,-47.05 -37.017,-46.542 R24.1@-37.017,-45.899
NetD6_C: D6.C R26.1 | length 3.2
  Top Layer w0.305: D6.C@-9.147,-47.05 -7.299,-47.05 -6.918,-46.669 R26.1@-6.918,-45.899
NetD7_C: D7.C R33.1 | length 3
  Top Layer w0.305: D7.C@-45.026,-47.05 -43.367,-47.05 -42.986,-46.669 R33.1@-42.986,-45.899
NetD8_C: D8.C R35.1 | length 2.9
  Top Layer w0.305: D8.C@-15.116,-47.05 -13.53,-47.05 -13.141,-46.661 R35.1@-13.141,-45.899
NetD9_A: D9.A R42.1 | length 2.6
  Top Layer w0.305: D9.A@9.268,-47.05 10.546,-47.05 10.927,-46.669 R42.1@10.927,-45.899
NetD10_C: D10.C R49.1 | length 1.8
  Top Layer w0.305: D10.C@-48.955,-45.28 R49.1@-48.955,-43.494
NetD11_C: D11.C R51.1 | length 2.7
  Top Layer w0.305: D11.C@-21.085,-47.05 -19.807,-47.05 -19.237,-46.48 R51.1@-19.237,-45.899
NetD12_A: D12.A R57.1 | length 2.7
  Top Layer w0.305: D12.A@3.299,-47.05 4.66,-47.05 5.147,-46.563 R57.1@5.147,-45.899
NetD13_C: D13.C R63.1 | length 1.3
  Top Layer w0.305: R63.1@-55.305,-46.558 D13.C@-55.305,-45.264
NetD14_C: D14.C R65.1 | length 2.8
  Top Layer w0.305: D14.C@-27.054,-47.05 -25.587,-47.05 -25.079,-46.542 R65.1@-25.079,-45.899
NetL1_1: L1.1 U6.1 | length 14.3
  Top Layer w0.508: L1.1@39.183,-7.774 39.183,-17.713 40.481,-19.011 U6.1@43.022,-19.011
NetL101_1: L101.1 U13.1 | length 11.4
  Top Layer w0.508: L101.1@-62.286,-13.678 -61.782,-14.182 -61.782,-24.5 U13.1@-61.553,-24.728
NetL121_1: L121.1 U11.5
NetQ1_1: Q1.1 U1.38 | length 23.8
  Top Layer w0.203: U1.38@24.64,-40.68 24.623,-40.697 23.043,-40.697 22.665,-40.319 22.665,-37.243 22.419,-36.997 22.419,-35.645 24.349,-33.715 25.848,-33.715 26.356,-33.207 29.404,-33.207 30.293,-32.318 30.293,-26.463 30.661,-26.095 Q1.1@31.894,-26.095
NetQ2_D: Q2.D R17.2 R20.2 | length 8.7
  Top Layer w0.305: R20.2@-3.678,-39.578 -2.833,-39.578 -1.838,-40.573 -1.838,-42.986 -0.822,-44.002 R17.2@-0.822,-44.899
  Top Layer w0.381: R20.2@-3.678,-39.578 Q2.D@-3.678,-37.89
NetQ3_D: Q3.D R13.1 R15.2 | length 8.7
  Top Layer w0.305: R13.1@-34.031,-39.578 -33.186,-39.578 -32.191,-40.573 -32.191,-43.048 -31.11,-44.129 R15.2@-31.11,-44.899
  Top Layer w0.381: R13.1@-34.031,-39.578 Q3.D@-34.031,-37.89
NetQ4_D: Q4.D R22.1 R24.2 | length 8.7
  Top Layer w0.305: R22.1@-40,-39.578 -39.155,-39.578 -38.16,-40.573 -38.16,-43.113 -37.017,-44.256 R24.2@-37.017,-44.899
  Top Layer w0.381: R22.1@-40,-39.578 Q4.D@-40,-37.89
NetQ5_D: Q5.D R23.1 R26.2 | length 8.8
  Top Layer w0.305: R23.1@-10.155,-39.578 -9.31,-39.578 -8.569,-40.319 -8.569,-42.859 -7.299,-44.129 -7.299,-44.518 R26.2@-6.918,-44.899
  Top Layer w0.381: R23.1@-10.155,-39.578 Q5.D@-10.155,-37.89
NetQ6_D: Q6.D R31.1 R33.2 | length 8.8
  Top Layer w0.305: R31.1@-46.034,-39.578 -45.124,-39.578 -44.256,-40.446 -44.256,-42.732 -42.986,-44.002 R33.2@-42.986,-44.899
  Top Layer w0.381: R31.1@-46.034,-39.578 Q6.D@-46.034,-37.89
NetQ7_D: Q7.D R32.1 R35.2 | length 8.8
  Top Layer w0.305: R32.1@-16.124,-39.578 -15.152,-39.578 -14.284,-40.446 -14.284,-43.113 -13.141,-44.256 R35.2@-13.141,-44.899
  Top Layer w0.381: R32.1@-16.124,-39.578 Q7.D@-16.124,-37.89
NetQ8_D: Q8.D R42.2 R45.2 | length 8.7
  Top Layer w0.305: R45.2@8.26,-39.578 9.297,-39.578 10.354,-40.635 10.354,-43.621 10.927,-44.194 R42.2@10.927,-44.899
  Top Layer w0.381: R45.2@8.26,-39.578 Q8.D@8.26,-37.89
NetQ9_D: Q9.D R46.1 R49.2 | length 16.2
  Top Layer w0.305: -58.306,-33.729 Q9.D@-57.749,-33.172 ; -58.213,-33.832 -58.294,-33.832 -58.294,-37.9 -55.867,-40.327 -54.382,-40.327 -53.353,-41.356 R46.1@-51.749,-41.356 -50.093,-41.356 R49.2@-48.955,-42.494
NetQ10_D: Q10.D R47.1 R51.2 | length 8.7
  Top Layer w0.305: R47.1@-22.093,-39.578 -21.248,-39.578 -20.253,-40.573 -20.253,-43.24 -19.237,-44.256 R51.2@-19.237,-44.899
  Top Layer w0.381: R47.1@-22.093,-39.578 Q10.D@-22.093,-37.89
NetQ11_D: Q11.D R57.2 R60.2 | length 8.7
  Top Layer w0.305: R60.2@2.291,-39.578 3.136,-39.578 4.131,-40.573 4.131,-43.113 5.147,-44.129 R57.2@5.147,-44.899
  Top Layer w0.381: R60.2@2.291,-39.578 Q11.D@2.291,-37.89
NetQ12_D: Q12.D R61.1 R63.2 | length 7.7
  Top Layer w0.305: Q12.D@-62.018,-45.274 -60.136,-47.156 R61.1@-58.353,-47.156 -57.951,-47.558 R63.2@-55.305,-47.558
NetQ13_D: Q13.D R62.1 R65.2 | length 8.8
  Top Layer w0.305: R62.1@-28.062,-39.578 -27.09,-39.578 -26.222,-40.446 -26.222,-42.859 -25.079,-44.002 R65.2@-25.079,-44.899
  Top Layer w0.381: R62.1@-28.062,-39.578 Q13.D@-28.062,-37.89
NetQ100_4: Q100.4 Q101.4 R304.2 | length 12.8
  Top Layer w0.203: Q101.4@-19.221,-13.145 -19.221,-12.361 v1(-19.11,-12.25) ; R304.2@-18.791,-19.241 v1(-17.611,-19.241) -17.205,-19.241 -16.331,-18.367 Q100.4@-16.331,-16.955
  L04_PWR2 w0.254: v1(-19.11,-12.25) -19.11,-17.742 v1(-17.611,-19.241)
NetQ102_1: Q102.1 R301.2 | length 8.5
  Top Layer w0.203: Q102.1@-27.807,-27.607 -27.807,-28.447 -27.072,-29.181 -21.946,-29.181 R301.2@-20.888,-28.123
NetQ102_3: Q102.3 R302.2 R303.1 | length 8.8
  Top Layer w0.203: Q102.3@-26.857,-25.607 -26.857,-28.381 -26.603,-28.635 -24.825,-28.635 -24.32,-28.131 R303.1@-23.928,-28.131 -23.928,-28.545 -23.746,-28.727 -22.483,-28.727 R302.2@-21.878,-28.123
NetR9_2: R9.2 U1.32 | length 9.1
  Top Layer w0.203: U1.32@22.74,-45.08 22.74,-45.974 24.362,-47.596 27.858,-47.596 28.388,-47.066 R9.2@28.388,-45.391
NetR80_1: R80.1 U3.60 | length 4.7
  Top Layer w0.203: R80.1@34.984,-36.447 34.984,-36.961 35.143,-37.12 35.587,-37.12 36.244,-37.778 36.244,-39.109 36.524,-39.388 37.345,-39.388 U3.60@37.359,-39.402
NetR81_1: R81.1 U6.11 | length 4.1
  Top Layer w0.203: U6.11@47.232,-21.511 49.369,-21.511 50.258,-20.622 R81.1@50.258,-19.917
NetR85_2: R85.2 R86.1 U6.5 | length 3.5
  Top Layer w0.203: R86.1@41.08,-22.662 41.08,-21.142 41.211,-21.011 U6.5@43.022,-21.011
NetR89_1: R89.1 U7.8 | length 2.4
  Top Layer w0.203: U7.8@-28.736,-12.405 -28.195,-12.405 R89.1@-26.878,-11.088
NetR90_1: R90.1 U7.1 U7.2 | length 2.9
  Top Layer w0.203: U7.2@-29.37,-8.049 -28.75,-8.049 U7.1@-28.736,-8.064 -28.001,-8.064 R90.1@-27.331,-8.734 ; R90.1@-27.379,-8.734 R90.1@-26.984,-9.13
NetR91_1: R91.1 U8.1 U8.2 | length 3.2
  Top Layer w0.203: U8.2@-40.244,-9.468 U8.1@-39.594,-9.468 -38.964,-9.468 R91.1@-37.604,-10.827
NetR92_1: R92.1 U8.8 | length 2.4
  Top Layer w0.203: U8.8@-39.594,-13.809 -38.563,-13.809 -37.719,-12.965 R92.1@-37.569,-12.965
NetR93_1: R93.1 R110.2 U7.4 | length 9.4
  Top Layer w0.203: U7.4@-30.686,-8.097 -31.546,-8.958 -31.546,-14.452 -30.591,-15.408 ; -30.616,-15.383 R93.1@-30.319,-15.383 -30.294,-15.408 R110.2@-30.294,-16.443
NetR94_1: R94.1 R111.1 U8.4 | length 9.5
  Top Layer w0.203: U8.4@-41.544,-9.468 -41.544,-11.191 -42.696,-12.344 -42.696,-15.865 -41.843,-16.718 R111.1@-41.45,-16.718 -41.45,-17.709 R94.1@-41.454,-17.713
NetR101_1: R101.1 U10.6 U10.7 | length 3.1
  Top Layer w0.203: R101.1@-38.416,-18.895 -38.541,-18.895 -38.541,-17.588 -38.316,-17.363 U10.7@-37.638,-17.363 U10.6@-37.638,-16.713
NetR115_1: R115.1 U13.11 | length 3.2
  Top Layer w0.203: U13.11@-57.343,-27.228 -56.395,-27.228 -55.457,-26.29 R115.1@-54.543,-26.29
NetR300_2: R300.2 R301.1 U300.4 | length 5.3
  Top Layer w0.203: R301.1@-20.888,-27.123 -20.888,-26.607 -21.183,-26.312 U300.4@-21.183,-25.608 -20.651,-25.608 -20.191,-25.148 -20.191,-23.751 -19.934,-23.494 R300.2@-19.237,-23.494
NetR304_1: R304.1 U300.7 | length 3.6
  Top Layer w0.203: U300.7@-22.411,-21.184 v1@-22.411,-20.279 ; v1(-21.015,-19.364) -20.891,-19.241 R304.1@-20.191,-19.241
  L04_PWR2 w0.254: v1(-22.444,-20.274) -21.533,-19.364 v1(-21.015,-19.364)
  L02_GND1 w0.254: v1@-22.601,-20.248 v1@-22.569,-20.28
NetR308_2: R308.2 R309.1 U13.9 | length 4.2
  Top Layer w0.203: U13.9@-57.343,-28.228 -55.015,-28.228 R308.2@-54.622,-27.835 -54.622,-29.092 R309.1@-54.648,-29.118
NetR500_1: R500.1 U10.1 U10.2 | length 3.5
  Top Layer w0.203: U10.2@-33.297,-17.363 U10.1@-33.297,-18.013 -32.388,-18.922 R500.1@-30.778,-18.922
NetU6_6: U6.6 U6.10 | length 13.1
  Top Layer w0.203: v1(41.977,-23.701) 41.977,-21.888 42.354,-21.511 U6.6@43.022,-21.511 ; U6.10@47.232,-22.011 48.203,-22.011 48.841,-22.65 48.841,-23.701 v1(48.831,-23.711)
  L04_PWR2 w0.254: v1(41.977,-23.701) 42.396,-24.12 48.422,-24.12 v1(48.831,-23.711)
NetU13_7: U13.7 U13.10 | length 11.4
  Top Layer w0.203: v3(-61.553,-29.27) -61.979,-29.27 -62.544,-28.705 -62.544,-27.728 U13.7@-61.553,-27.728 ; U13.10@-57.343,-27.728 -55.941,-27.728 v3(-55.731,-27.518)
  L04_PWR2 w0.254: v3(-61.553,-29.27) -60.768,-28.485 -56.698,-28.485 v3(-55.731,-27.518)
POS: C302.2 C303.1 D101.A D102.C D103.A J7.P3 J7.P4 J7.P7 J7.P8 Q101.5 Q101.6 Q101.7 Q101.8 R88.2 U300.8 | length 18.8
  Top Layer w0.381: -23.829,-21.259 U300.8@-23.188,-21.256
  Top Layer w0.508: v1(-16.052,-21.081) -15.318,-21.081 D103.A@-15.316,-21.08 -14.451,-21.08 -14.03,-21.501 -14.03,-27.619 -14.345,-27.934 D101.A@-15.316,-27.934
  L04_PWR2 w0.203: v6@-21.06,-16.848 cw(c-21.04,-16.848) v6(-21.04,-16.828)
  L04_PWR2 w0.254: -17.446,-21.08 -17.445,-21.081 ; v1@-14.453,-21.081 v1@-14.451,-21.08
  L04_PWR2 w0.305: -20.245,-17.007 -20.245,-18.53 -17.625,-21.082 -17.446,-21.08 ; -17.445,-21.081 v1@-14.453,-21.081
  other v1: -14.411,-21.081
  other v3: -35.645,10.325 -30.565,10.325 -25.485,10.325 -20.405,10.325 -15.325,10.325 -10.245,10.325 -5.165,10.325 -0.085,10.325 4.995,10.325 10.075,10.325 15.155,10.325 20.235,10.325
  other v4: -39,-4.33 -37.5,-4.33 -36,-4.33 -39,-2.83 -37.5,-2.83 -36,-2.83 -39,-1.33 -37.5,-1.33 -36,-1.33 -39,0.17 -37.5,0.17 -36.023,0.17
  other v5: -23.174,-11.49 -21.269,-11.49 -23.174,-9.966
  other v6: -23.428,-16.828 -22.234,-15.939 -23.428,-15.05 -21.04,-15.05 -22.234,-14.161 -23.428,-13.272 -21.04,-13.272
  other v7: -40.6,-4.33 -40.6,-2.83 -40.6,-1.33 -40.6,0.17 -40.6,1.67 -40.6,4.67 -40.6,7.67
PWRS: Q100.1 Q100.2 Q100.3 Q101.1 Q101.2 Q101.3
  other v5: -17.967,-16.443 -17.967,-15.046 -17.586,-13.649 -17.586,-12.252 -16.316,-11.744
REF_M: C2.2 R9.1 R10.2 U1.33 | length 6.2
  Top Layer w0.203: U1.33@24.64,-43.18 25.21,-43.18 26.128,-44.098 26.15,-44.885 26.22,-44.951 26.254,-44.983 26.255,-45.013 26.877,-44.391 R9.1@28.388,-44.391 R10.2@29.404,-44.391
SPI1_NSS: U1.52 U3.20 | length 31.5
  Top Layer w0.203: U1.52@21.24,-33.78 21.24,-32.989 21.53,-32.699 22.8,-32.699 23.308,-33.207 25.34,-33.207 v1(25.594,-32.953) ; v1(47.356,-39.481) 47.386,-39.481 47.808,-39.902 U3.20@48.659,-39.902
  L04_PWR2 w0.254: v1(25.594,-32.953) 31.03,-32.953 31.259,-33.182 33.885,-33.182 36.196,-35.493 42.981,-35.493 46.969,-39.481 v1(47.356,-39.481)